# KiCad board debug-toolkit.kicad_pcb (continued)
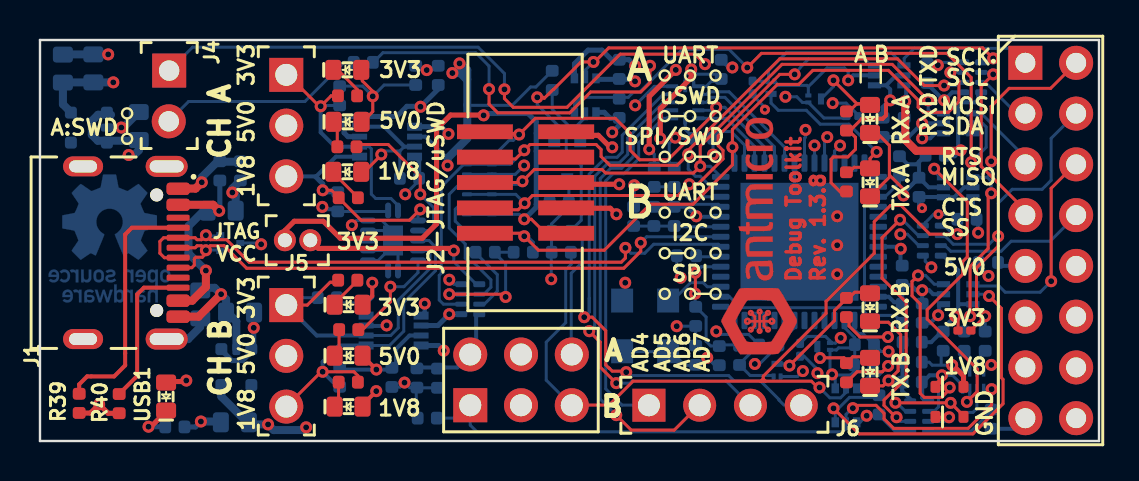
[diagram p0: board, top side]
## Routing (per net, layer and track width the routed paths; a pad name or vN(x,y) marks a point on that pad's centre or on a via; arc(x,y) is an arc through that point) (continued)
/ADBUS3: length 40.6
  Top w0.15: v1(45.52,18.44) 45.95,18.01 45.95,16.98 45.42,16.45 44.18,16.45 43.92,16.71 43.92,17.06 42.43,18.55 38.65,18.55 37.95,17.85 36.88,17.85 34.63,15.59 v1(34.63,14.7) 34.63,13.82 32.66,11.85 30.52,11.85 28.22,9.55 24.92,9.55 24.07,10.4 22.77,10.4
  Bottom w0.15: 24.22,10.4 24.67,9.95 24.67,9.45 ; 24.22,10.4 24.35,10.26 ; 24.22,10.4 24.22,10.3 24.27,10.25 ; 24.22,10.4 21.37,10.4 20.77,11 20.77,11.6 21.01,11.84 D2.13 ; v1(45.52,18.44) 45.53,18.45 46.32,18.45 ; U1.15 34.73,14.6 v1(34.63,14.7)
  vias: v1(24.22,10.25)
/ADBUS4: length 4.2
  Bottom w0.152: 32.92,16.15 34.33,16.15 35.73,14.74 U1.17
/ADBUS4_T: length 18
  Bottom w0.15: U4.7 31.17,16.15 29.94,14.92 29.94,14.11 29.2,13.37 28.65,13.37 28.29,13.01 28.29,2.61 29.11,1.8 30.42,1.8
/ADBUS5: length 22.5
  Top w0.15: v1(33.82,16.7) 33.82,16.49 31.4,14.07 29.99,14.07 29.52,14.55 29.52,15.4 28.77,16.15 24.77,16.15 v1(23.96,15.34) 23.91,15.38 22.23,15.38
  Bottom w0.15: 32.92,16.55 33.67,16.55 v1(33.82,16.7) ; 21.35,14.34 22.76,14.34 23.46,15.04 23.67,15.04 v1(23.96,15.34)
  Bottom w0.152: U1.18 36.23,14.71 34.25,16.7 v1(33.82,16.7)
/ADBUS5_T: length 22.6
  Top w0.15: 32.97,1.8 31.72,0.55 29.57,0.55 v1(28.82,1.3)
  Bottom w0.15: v1(28.82,1.3) 28.02,2.1 28.02,13.13 28.53,13.65 29.08,13.65 29.67,14.23 29.67,15.05 31.17,16.55 U4.8
/ADBUS6: length 5.8
  Bottom w0.15: 32.92,16.95 33.33,16.95 33.58,17.2 33.88,17.2 33.88,17.2
  Bottom w0.152: U1.19 36.73,14.71 34.25,17.2 33.88,17.2
/ADBUS6_T: length 24.2
  Top w0.15: v1(27.47,5.5) 28.02,4.95 28.02,3.7 v1(28.82,2.9)
  Bottom w0.15: v1(27.47,5.5) 27.74,5.77 27.74,13.24 28.42,13.92 28.97,13.92 29.39,14.34 29.39,15.17 31.17,16.95 U4.9 ; 35.53,1.79 34.32,3 29.61,3 29.51,2.9 v1(28.82,2.9)
/ADBUS7: length 6.3
  Bottom w0.15: 32.92,17.35 33.34,17.35 33.46,17.47 34.46,17.47 37.23,14.7 U1.20
/ADBUS7_T: length 27
  Top w0.15: v1(27.22,6.2) 27.62,6.2 28.29,5.52 28.29,3.81 28.45,3.65 28.47,3.65 28.62,3.5 29.27,3.5 v1(29.32,3.45)
  Bottom w0.15: 27.47,7.15 27.47,6.47 ; 27.47,7.15 27.47,13.36 28.31,14.2 28.86,14.2 29.12,14.46 29.12,15.3 31.17,17.35 31.62,17.35 ; 27.47,7.15 27.47,6.45 27.27,6.25 ; v1(29.32,3.45) 29.49,3.28 34.44,3.28 34.71,3.01 36.03,3.01 36.96,2.07 36.96,2.05 37.21,1.79
/BDBUS0: length 25.5
  Top w0.15: v1(44.72,13.62) 46.37,11.97 46.37,9.21 46.14,8.98 46.14,8.34 44.37,6.57 44.37,6.1 46.87,3.6 46.87,2.47 v1(46.35,1.96)
  In1.Cu w0.15: v1(44.72,13.62) 43.21,15.13 43.21,15.43 42.56,16.08 38.69,16.08 38.16,15.54
  In1.Cu w0.152: v1(38.28,15.57) 38.18,15.57 38.16,15.54
  Bottom w0.15: 45.18,13.2 45.03,13.2 44.72,13.51 v1(44.72,13.62) ; 46.49,2.51 46.49,2.1 v1(46.35,1.96)
  Bottom w0.152: 38.23,13.91 38.23,15.15 38.28,15.21 v1(38.28,15.57)
/BDBUS1: length 24.3
  Top w0.15: v1(42.83,1.19) 42.8,1.19 42.21,1.78 42.21,2.05 42.57,2.42 42.59,2.42 43.32,3.14 43.32,6.94 42.11,8.15 42.11,10.17 v1(43.01,11.07)
  In1.Cu w0.152: v1(38.73,14.79) 38.73,15.35 39.17,15.79 42.38,15.79 42.89,15.28 42.89,13.74 42.67,13.52 42.67,11.41 v1(43.01,11.07)
  Bottom w0.152: v1(38.73,14.79) 38.73,13.91 ; 43.52,0.99 43.04,0.99 v1(42.83,1.19) ; 44.27,10.28 43.93,10.28 43.13,11.07 v1(43.01,11.07)
/BDBUS2: length 25
  Top w0.15: v1(43.91,8.29) 43.61,7.99 43.61,7.27 44.02,6.86 44.02,2.39 44.22,2.19 45.08,2.19 45.49,2.59 v1(45.49,2.68)
  In1.Cu w0.15: 39.31,15.13 39.31,14.77 39.54,14.55 ; 39.54,14.55 39.42,14.67 ; 39.54,14.55 39.8,14.29 40.22,14.29 40.51,14.58 40.51,14.89 40.75,15.13 42.07,15.13 42.34,14.86 42.34,14.19 42.11,13.97 42.11,9.57 43.39,8.29 v1(43.91,8.29)
  Bottom w0.15: 45.18,7.85 44.72,7.85 44.28,8.29 v1(43.91,8.29) ; 44.3,1.49 44.71,1.49 44.93,1.71 44.93,2.56 45.05,2.68 v1(45.49,2.68)
  Bottom w0.152: 39.31,15.13 39.23,15.05 39.23,13.91
  vias: v1(39.37,15.21)
/BDBUS3: length 10.7
  In1.Cu w0.15: v1(40.01,14.79) 40.01,14.85 40.64,15.48 42.18,15.48 42.61,15.04 42.61,14.01 42.39,13.79 42.39,10.9 42.94,10.35 v1(43.03,10.35)
  Bottom w0.152: v1(43.03,10.35) 43.38,10.35 43.95,9.78 44.27,9.78 ; v1(40.01,14.79) 39.73,14.51 39.73,13.91
/I2C_EN: length 36.2
  Top w0.15: v1(47.59,2.59) 47.59,1.81 46.42,0.64 42.68,0.64 42.21,1.11 42.21,1.39 41.81,1.79 40.79,1.79 v1(40.65,1.64)
  Bottom w0.15: 47.19,2.51 47.5,2.51 v1(47.59,2.59) 47.57,2.57 47.57,1.6 ; 47.52,1.45 46.56,0.49 44.3,0.49 ; v1(40.65,1.64) 40.62,1.64 40.31,1.34 Q2.5 40.31,0.64 40.13,0.46 21.85,0.46 21.52,0.8 J7.1 ; 19.85,1.15 20.87,1.15
/IN1_A: length 12
  Top w0.15: v1(14.04,16.75) 14.56,17.27 14.89,17.27 ; 13.96,16.75 12.39,18.32
  Bottom w0.15: 14.99,16.79 14.25,16.79 ; U16.6 16.46,14.73 16.57,14.62 16.57,12.36 16.79,12.14 17.55,12.14 17.9,11.78
  Bottom w0.2: U16.6 14.75,14.73 14.04,15.44 v1(14.04,16.75)
/IN1_B: length 15.7
  Top w0.15: 14.91,7.95 14.51,7.95 13.37,6.8 J1_B1.1
  Bottom w0.15: 18.9,9.53 19.45,9.53 19.5,9.48 19.5,8.64 17.92,7.05 17.92,5.66 17.54,5.28 U15.6 ; 13.88,7.17 12.69,7.17
  Bottom w0.2: J1_B1.1 13.84,5.28 U15.6
/IN2_A: length 11.9
  Top w0.15: v1(19.01,11.59) 18.47,11.05 16.06,11.05 14.93,12.17 14.93,12.19 14.58,12.55 v1(14.14,12.55)
  Bottom w0.15: U13.2 18.9,11.48 v1(19.01,11.59)
  Bottom w0.2: 12.32,13.24 13.81,13.24 14.8,14.23 U16.5
  Bottom w0.254: 13.79,13.22 14.14,12.87 v1(14.14,12.55) 14.21,12.47 14.82,12.47
/IN2_B: length 17.1
  Top w0.15: 15.9,2.95 15.9,3.27 15.7,3.47 14.14,3.47 v1(14.13,3.46) 14.06,3.46 12.32,1.72
  Bottom w0.15: U13.4 19.45,10.03 19.78,9.71 19.78,8.52 18.19,6.94 18.19,5.49 17.48,4.78 16.14,4.78
  Bottom w0.2: U15.5 14.95,4.78 14.13,3.96 v1(14.13,3.46) 14.9,2.7 15.02,2.7
/IN12_A: length 7.5
  Top w0.15: 15.84,14.72 15.95,14.84 17.41,14.84 19.02,13.23 v1(19.02,12.35)
  Bottom w0.15: U13.3 19.45,10.53 19.68,10.76 19.68,11.68 v1(19.02,12.35)
/IN12_B: length 5.2
  Top w0.15: 15.93,5.57 16.13,5.57 17.52,6.96 v1(17.52,7.72)
  Bottom w0.15: 18.9,9.03 18.9,8.43 18.2,7.72 v1(17.52,7.72)
/JTAG_VCC: length 30.2
  Top w0.152: v1(24.22,11.1) 24.57,11.1 25.27,10.4
  Top w0.254: 12.25,10.05 12.25,10.53 12.72,11 14.17,11 15.02,10.15 19.12,10.15 19.83,10.86 19.83,15.61 20.53,16.31 22.17,16.31 v1(22.18,16.3)
  Bottom w0.15: 21.35,11.34 D2.14
  Bottom w0.152: D2.14 23.97,11.34 v1(24.22,11.1)
  Bottom w0.254: 24.82,11.85 25.38,11.85 ; 24.82,11.85 24.82,14.49 24.82,14.5 24.82,15.4 ; 24.82,11.85 24.82,11.7 v1(24.22,11.1) ; v1(22.18,16.3) 22.27,16.39 24.41,16.39 24.82,15.98 24.82,15.4 ; 24.82,15.4 25.29,15.4 25.72,14.97
/MPSSE_A: length 40.6
  Top w0.15: v1(24.87,17.2) 25.17,17.2 25.22,17.15 25.67,17.6 25.69,17.6 27.06,18.97 v1(27.68,18.97) 27.74,18.97 28.44,19.67 47.14,19.67 v1(47.67,19.15)
  Bottom w0.15: 26.57,4.35 26.57,8.4 27.12,8.95 27.12,10.3 26.92,10.5 26.35,10.5 ; 27.27,18.22 27.27,18.56 v1(27.68,18.97) ; 46.92,18.95 47.27,18.95 47.47,19.15 v1(47.67,19.15)
  Bottom w0.152: 26.55,10.53 27.07,11.05 27.07,13.8 26.32,14.55 26.32,15.38 24.87,16.83 v1(24.87,17.2)
/MPSSE_B: length 40.4
  Top w0.15: 36.28,3 38.58,3 38.89,2.68 v1(38.98,2.68) ; 36.28,3 36.03,3 ; 36.28,3 36.17,3.1 36.17,3.1 ; v1(45.87,10.35) 44.49,10.35 43.06,11.79 42.53,11.79 41.72,10.98 41.72,9.4 39.31,6.99 39.31,6.39 36.17,3.24 36.17,3.1 ; 36.03,3 36.06,3 36.17,3.1 ; 36.03,3 29.66,3 28.46,1.8 26.57,1.8 ; 36.17,3.1 36.17,3
  Bottom w0.15: 26.57,1.8 25.32,3.05 25.32,4.95 26.29,5.92 26.29,8.57 26.57,8.85 26.57,9.4 ; Q2.2 40.31,2.44 40.03,2.16 39.5,2.16 v1(38.98,2.68)
  Bottom w0.152: 44.93,10.78 45.23,10.78 45.65,10.35 v1(45.87,10.35)
/nMPSSE_A: length 29.3
  Top w0.15: v1(46.57,13.95) 46.57,18.19 45.36,19.4 36.08,19.4 v1(35.37,18.69)
  Bottom w0.15: 46.65,15.9 47.13,15.9 47.32,15.71 47.32,14.7 v1(46.57,13.95) ; v1(35.37,18.69) 34.46,19.6 32.12,19.6 29.97,17.45 29.67,17.45 29.42,17.2 29.13,17.2 ; 26.73,16.45 26.73,16.85 27.08,17.2 28.82,17.2
/nMPSSE_B: length 19.4
  Top w0.15: 48.16,3.09 48.08,3.17 48.08,6.64 v1(47.46,7.26)
  Top w0.152: v1(39.68,1.64) 40.96,0.36 46.65,0.36 48.16,1.87 48.16,3.09
  Bottom w0.15: 46.65,7.35 47.37,7.35 v1(47.46,7.26) ; Q2.6 39.77,1.55 v1(39.68,1.64) 39.93,1.64 40.48,2.19 41.85,2.19 41.96,2.3
/OSCI: length 2.8
  Bottom w0.15: U1.3 33.37,7.72 33.17,7.92 32.53,7.92 31.66,7.05
/SDA: length 7.4
  Top w0.15: D4.2 46.18,1.27 v1(45.54,1.91) 42.78,1.91 v1(42.78,1.92)
  Bottom w0.15: 46.84,2.51 46.85,2.5 46.85,1.63 46.66,1.44 46.01,1.44 v1(45.54,1.91)
  Bottom w0.152: v1(42.78,1.92) 42.85,1.92 43.28,1.49 43.52,1.49 ; 43.33,1.49 43.64,1.49
/SWD_EN: length 4.9
  Bottom w0.2: 18.82,3.68 20.87,3.68 J7.2 ; 21.81,6.35 21.81,4.39
/UART_1_CTS_T: length 8.8
  Top w0.15: v1(47.67,18.35) 47.07,17.75 47.07,13.75 49.27,11.55
  Bottom w0.15: v1(47.67,18.35) 47.57,18.45 46.91,18.45
/UART_1_RTS_T: length 56.5
  Top w0.15: v1(23.23,17.6) 23.23,17.14 23.67,16.7 26.36,16.7 29.02,19.36 32.76,19.36 v1(33.26,18.86)
  In1.Cu w0.15: v1(33.26,18.86) 33.68,19.28 35.52,19.28 36.01,18.79 36.01,17.79 37.07,16.73 37.55,16.73 40.13,19.31 45.74,19.31 46.23,18.82 46.23,16.89 J3.5
  Bottom w0.15: J4.1 7.63,19.71 21.91,19.71 23.23,18.39 v1(23.23,17.6) ; 49.32,14.15 47.07,16.4 46.65,16.4
/UART_1_RXD_T: length 47.6
  Top w0.15: v1(22.46,17.61) 22.46,16.86 22.89,16.42 26.49,16.42 27.54,17.47 30.05,17.47 30.51,17.93 v1(30.51,18.78)
  In1.Cu w0.15: J3.3 47.41,16.38 46.63,17.17 46.63,18.83 45.87,19.59 39.69,19.59 37.33,17.23 v1(37.28,17.23) 36.31,18.2 36.31,18.99 35.71,19.59 31.32,19.59 v1(30.51,18.78)
  Bottom w0.15: v1(22.46,17.61) 22.46,18.76 21.78,19.43 17.15,19.43 16.67,18.95 ; 48.82,16.4 47.27,17.95 46.91,17.95 ; 38.42,16.94 38.13,16.94 37.84,17.23 v1(37.28,17.23)
  Bottom w0.152: 40.22,16.16 39.2,16.16 38.42,16.94
/UART_1_TXD_T: length 14.5
  Bottom w0.15: 48.57,19.65 43.72,19.65 43.22,19.15 43.22,18.85
  Bottom w0.152: 43.2,18.8 42.55,19.45 37.34,19.45 36.43,18.54 36.43,18.05 ; Q4.1 36.38,18.01 R10.1
/UART_2_CTS_T: length 7.7
  Bottom w0.15: 51.82,11.3 50.52,10 48.57,10 48.07,9.5 45.54,9.5 45.26,9.78 44.93,9.78
/UART_2_RTS_T: length 10.7
  Top w0.15: v1(50.57,8) 50.57,12.65 51.77,13.85
  Bottom w0.15: 46.66,7.85 46.76,7.76 47.96,7.76 48.27,7.45 50.02,7.45 v1(50.57,8)
/UART_2_RXD_T: length 30.8
  Top w0.15: v1(47.92,10.25) 47.92,9.75 46.83,8.66 46.83,6.68 v1(47.27,6.25) 46.55,5.53
  In1.Cu w0.15: v1(47.27,6.25) 46.22,5.2 43.7,5.2 42.82,6.07 41.83,6.07 41.35,5.6 40.41,4.66 38.81,4.66 38.15,4 v1(38.15,3.5)
  Bottom w0.15: 47.87,10.25 47.47,9.85 45.67,9.85 45.24,10.28 44.93,10.28 ; v1(47.92,10.25) 47.92,11.9 48.62,12.6 50.12,12.6 50.57,13.05 50.57,15.15 51.82,16.4 ; v1(47.27,6.25) 47.27,5.5
  Bottom w0.152: v1(38.15,3.5) 37.88,3.23 37.04,3.23
/UART_2_TXD_T: length 28
  Top w0.15: v1(46.52,6.25) 46.51,6.25 46.51,8.73 47.42,9.63 47.42,12.25 v1(47.57,12.4) ; v1(47.57,14) 47.57,16.75 48.47,17.65 50.54,17.65 J3.2
  In1.Cu w0.15: v1(46.52,6.25) 46.47,6.25 45.7,5.47 43.81,5.47 42.94,6.35 41.23,6.35 v1(40.04,5.16)
  Bottom w0.15: v1(47.57,12.4) 47.57,13 47.37,13.2 ; 46.65,13.2 47.37,13.2 ; 47.37,13.2 47.57,13.4 v1(47.57,14) ; v1(46.52,6.25) 46.22,5.95 46.22,5.5
  Bottom w0.152: 39.51,4.9 39.78,4.9 v1(40.04,5.16) ; R31.1 38.36,5.24 39.28,5.24 39.51,5.01 39.51,4.91
/USB_D_N: length 32.2
  Top w0.15: 6.9,9.17 6.22,9.17 6,9.4 6,9.99 6.18,10.17 6.9,10.17
  Top w0.152: 6.9,10.17 7.76,10.17 7.86,10.07 8.07,10.07 v1(8.3,10.3) 8.52,10.07 9.33,10.07 10.46,8.95 29.07,8.95 29.28,9.16 v1(29.28,9.67)
  Bottom w0.15: 9.09,10.26 8.34,10.26 v1(8.3,10.3)
  Bottom w0.152: U1.7 33.92,9.84 30.69,9.84 30.24,9.4 29.55,9.4 v1(29.28,9.67)
/USB_D_P: length 31.6
  Top w0.15: 6.9,8.67 7.59,8.67 7.72,8.8 7.72,9.11 7.8,9.2 8.12,9.2 8.3,9.38 v1(8.3,9.55)
  Top w0.152: 6.9,9.67 7.76,9.67 7.86,9.77 8.07,9.77 v1(8.3,9.55) 8.52,9.77 9.21,9.77 10.33,8.64 29.19,8.64 30.04,9.49 v1(30.04,9.92)
  Bottom w0.15: 9.09,9.56 8.31,9.56 v1(8.3,9.55)
  Bottom w0.152: U1.8 30.34,10.22 v1(30.04,9.92)
/VPHY: length 6.7
  Top w0.15: v1(32.77,8.42) 32.77,7.39 v1(32.76,7.38)
  Bottom w0.15: U1.5 33.07,8.72 v1(32.77,8.42) ; 33.97,4.76 33.54,4.76 33.31,4.99 33.31,6.2 32.79,6.72 ; v1(32.76,7.38) 32.76,6.78
  Bottom w0.152: 34.97,4.81 34.02,4.81
/VPLL: length 4.5
  Bottom w0.15: 29.69,10.75 31.72,10.75 ; 34.19,10.72 31.75,10.72
/VREGOUT: length 18.1
  Bottom w0.15: 41.23,6.55 41.23,6.03 ; 41.23,6.55 41.11,6.67 41.05,6.67 ; 41.23,6.55 41.23,6.72 ; 42.26,12.22 42.98,12.94 42.98,13.29 ; 41.05,6.67 35.03,6.67 34.48,7.22 U1.2 ; 41.05,6.67 41.23,6.85 ; 41.92,12.22 41.37,12.22 41.23,12.08 41.23,6.85 ; 41.18,6.67 41.23,6.72 ; 41.23,6.72 41.23,6.85
  Bottom w0.152: 41.23,6.03 41.48,6.29 42.76,6.29 43.12,5.93
/~{RESET}: length 4
  Bottom w0.15: 31.7,12.72 30.69,12.72 ; 33.61,11.72 U1.11 33.92,11.84 32.73,11.84 31.86,12.71
Net-(1V8_A1-C): length 1.8
  Top w0.15: 14.62,13.47 14.62,13.47 15.9,12.18 15.9,12.17
Net-(1V8_B1-C): length 1
  Top w0.15: 14.93,2.95 14.93,1.97
Net-(3V3_A1-C): length 1.7
  Top w0.15: 14.88,18.57 15.86,17.59 15.86,17.27
Net-(3V3_B1-C): length 1.7
  Top w0.15: 15.88,7.95 15.79,7.95 14.68,6.84 14.68,6.82
Net-(5V0_A1-C): length 1
  Top w0.15: 14.87,14.72 14.87,15.73
Net-(5V0_B1-C): length 1
  Top w0.15: 14.96,5.57 14.96,4.55
Net-(C3-Pad1): length 10.7
  Top w0.4: 6.9,7.02 7.61,7.02 8.3,7.71 v1(8.3,8.53) ; 6.9,11.82 8.66,11.82 v1(8.96,11.52)
  Bottom w0.254: 8.99,13.03 8.99,11.55 v1(8.96,11.52) 8.4,11.52
  Bottom w0.4: v1(8.3,8.53) 8.29,8.53 7.43,9.39 7.43,10.75 8.2,11.53 L1.2
Net-(D3-A): length 4.1
  Top w0.254: D3.2 46.18,3.26 45.65,3.8 v1(45.62,3.8)
  Bottom w0.15: 45.06,3.81 45.07,3.82 45.07,4.4 ; 44.12,3.95 44.47,3.95 44.62,3.8 v1(45.62,3.8) 45.88,3.53 46.09,3.53
Net-(D4-C): length 1.9
  Top w0.152: D4.1 44.8,1.19 v1(45.46,1.19)
  Bottom w0.15: 44.63,0.99 44.3,0.99
  Bottom w0.152: v1(45.46,1.19) 45.26,0.99 44.63,0.99
Net-(J1-CC_{1}): length 12.5
  Top w0.2: J1.A5 4.59,10.67 4.26,10.34 4.26,3.79 3.71,3.24 2.36,3.24 1.96,2.84 1.96,2.37
Net-(J1-CC_{2}): length 7.5
  Top w0.2: 3.96,2.36 4.86,3.26 4.86,7.34 5.2,7.67 J1.B5
Net-(J4-Pad2): length 10.5
  Bottom w0.15: 15.68,18.95 15.21,18.95 13.25,16.99 7.43,16.99 J4.2
Net-(Q1-G2): length 4
  Bottom w0.15: 26.47,15.75 25.62,16.6 25.62,17.56
  Bottom w0.152: 26.47,15.75 26.82,15.75 ; 26.82,15.75 27.02,15.55 27.02,14.97 ; 26.82,15.75 27.27,16.2
Net-(Q4-D): length 8.8
  Top w0.152: v1(41.84,14.47) 41.51,14.14 41.51,13.69 41.5,13.7 40.71,13.7 40.46,13.44
  Bottom w0.152: Q4.3 36.56,16.91 36.92,16.55 38.32,16.55 39.02,15.85 40.45,15.85 v1(41.84,14.47)
Net-(Q5-D): length 3.3
  Top w0.152: 41.46,4.22 40.64,4.22 40.4,3.97 40.21,4.17 39.02,4.17 v1(39.01,4.15)
  Bottom w0.152: 38.87,4.74 38.87,4.29 v1(39.01,4.15)
Net-(Q6-D): length 4.6
  Top w0.152: v1(39.68,18.05) 40.86,16.87 41.47,16.87 40.84,16.87 40.46,16.49
  Bottom w0.152: 39.06,17.12 39.68,17.74 v1(39.68,18.05)
Net-(Q7-D): length 6.6
  Top w0.152: 40.46,7.15 40.75,7.45 41.47,7.45 ; 40.32,7.15 40.32,7.11 39.73,6.53 39.73,6.03 v1(37.48,3.78)
  Bottom w0.152: v1(37.48,3.78) 37.62,3.86 36.86,3.86
Net-(U1-REF): length 1.2
  Bottom w0.15: 32.89,9.22 U1.6
Net-(U6-1B): length 3.7
  Bottom w0.15: 21.81,6.85 22.22,6.85 22.87,7.5 22.87,8.33 21.77,9.43 21.77,9.45
Net-(U6-2A): length 7
  Top w0.15: v1(20.47,7.35) 23.15,7.35 v1(23.29,7.21)
  Bottom w0.15: 23.68,9.45 22.77,9.45 ; 22.75,9.45 22.75,9.39 23.29,8.86 v1(23.29,7.21) ; 21.22,7.35 20.47,7.35 v1(20.47,7.35)
Net-(U11-A1): length 1
  Bottom w0.15: 46.22,4.5 46.49,4.22 46.49,3.58
Net-(U11-A2): length 1.1
  Bottom w0.15: 46.84,3.58 46.84,4.07 47.27,4.5
Net-(USB1-C): length 2
  Top w0.254: 6.31,1.48 5.55,0.72 v1(5.43,0.72)
  Bottom w0.254: v1(5.43,0.72) 6.25,0.72

## Copper pours and planes (outline as drawn; the poured copper is in the pictures)
+1V8 on In2.Cu: 52.96,4.61 48.57,4.58 44.47,0.81 41.23,0.81 40.97,1.35 32.62,1.31 32.61,1.3 31.72,2.2 29.64,2.2 29.49,2.12 25.22,2.12 24.82,2.52 24.79,2.5 19.89,2.5 19.94,15.04 20.74,15.04 20.74,15.67 18.79,15.67 18.8,1.2 11.19,1.2 11.19,0.05 52.96,0
+3V3 on In2.Cu: 52.97,0.05 2.82,0.05 2.82,-0.05 2.72,0.05 2.82,0.05 2.72,20.1 52.97,20.1
+5V on In2.Cu: 52.97,7.75 48.57,7.75 48.22,8.1 48.22,9.55 47.67,11.22 47.67,16.97 19.57,17 19.62,1.22 11.12,1.27 11.05,0.08 5.48,0.03 5.47,0.05 0,0 0,20.05 52.97,20.05
/3V3_A on In2.Cu: 45.62,17.15 45.62,15.9 44.53,14.71 43.7,14.68 41.12,17.1 29.17,17.1 29.17,18.05 29.52,18.45 30.02,18.45 30.42,18.05 32.32,18.05 32.82,18.55 34.67,18.55 35.17,18.05 44.77,18.05
/3V3_B on In2.Cu: 45.62,11.75 45.62,11.4 45.27,11.05 45.27,6.25 42.76,5.04 42.06,5.04 42.06,5.57 43.09,6 43.57,6.85 43.57,12 45.42,12
/VCCIOA on In2.Cu: 43.57,17.1 43.57,16.8 43.47,16.6 43.27,16.35 43.17,16.25 41.07,16.25 18.9,16.2 18.7,16.4 18.7,16.85 18.98,17.14 30.09,17.17 32.97,17.15 33.32,17.55 34.17,17.55 34.57,17.15 40.37,17.2 41.87,17.2 42.37,16.7 42.72,16.7 42.92,16.9 42.92,17.1 43.14,17.3 43.39,17.3
/VCCIOB on In2.Cu: 43.38,14.89 44.62,14.86 47.64,11.25 47.63,9.85 48.07,9.45 48.07,8.05 46.77,6.55 46.12,6.55 46.12,6 45.97,5.8 45.62,5.8 45.42,5.95 45.47,11 45.77,11.3 45.77,11.65 45.32,12.15 44.82,12.2 41.42,15.6 38.41,15.6 38.01,15.19 36.01,15.18 35.56,15.6 23.08,15.6 22.71,15.2 21.67,15.2 21.33,15.6 19.19,15.6 18.77,15.17 18.77,5.75 18.47,5 16.74,5 16.74,6.22 17.13,6.22 17.45,6.52 17.44,10.43 16.9,10.88 16.89,13.48 17.44,13.89 17.43,15.62 18.24,16.32 41.72,16.35
GND on In1.Cu: 0.04,20.07 52.83,20.19 52.83,0.13 -0.04,0

## Text on the board
Top: Debug Toolkit | Rev. 1.3.8
F.Mask: Debug Toolkit | Rev. 1.3.8
F.Silkscreen: JTAG / VCC | AD4 | AD5 | AD6 | AD7 | A:SWD | 1V8 | 3V3 | 5V0 | A | B | MOSI | SDA | RTS | MISO | CTS | SS | SCK | SCL | SPI/SWD | UART | uSWD | I2C | SPI | J2-JTAG/uSWD | RX.B | RX.A | TX.A | TX.B | TXD | RXD | GND | CH A | CH B
